# Altium PCB jlc.PcbDoc (part 1 of 2) (continued)
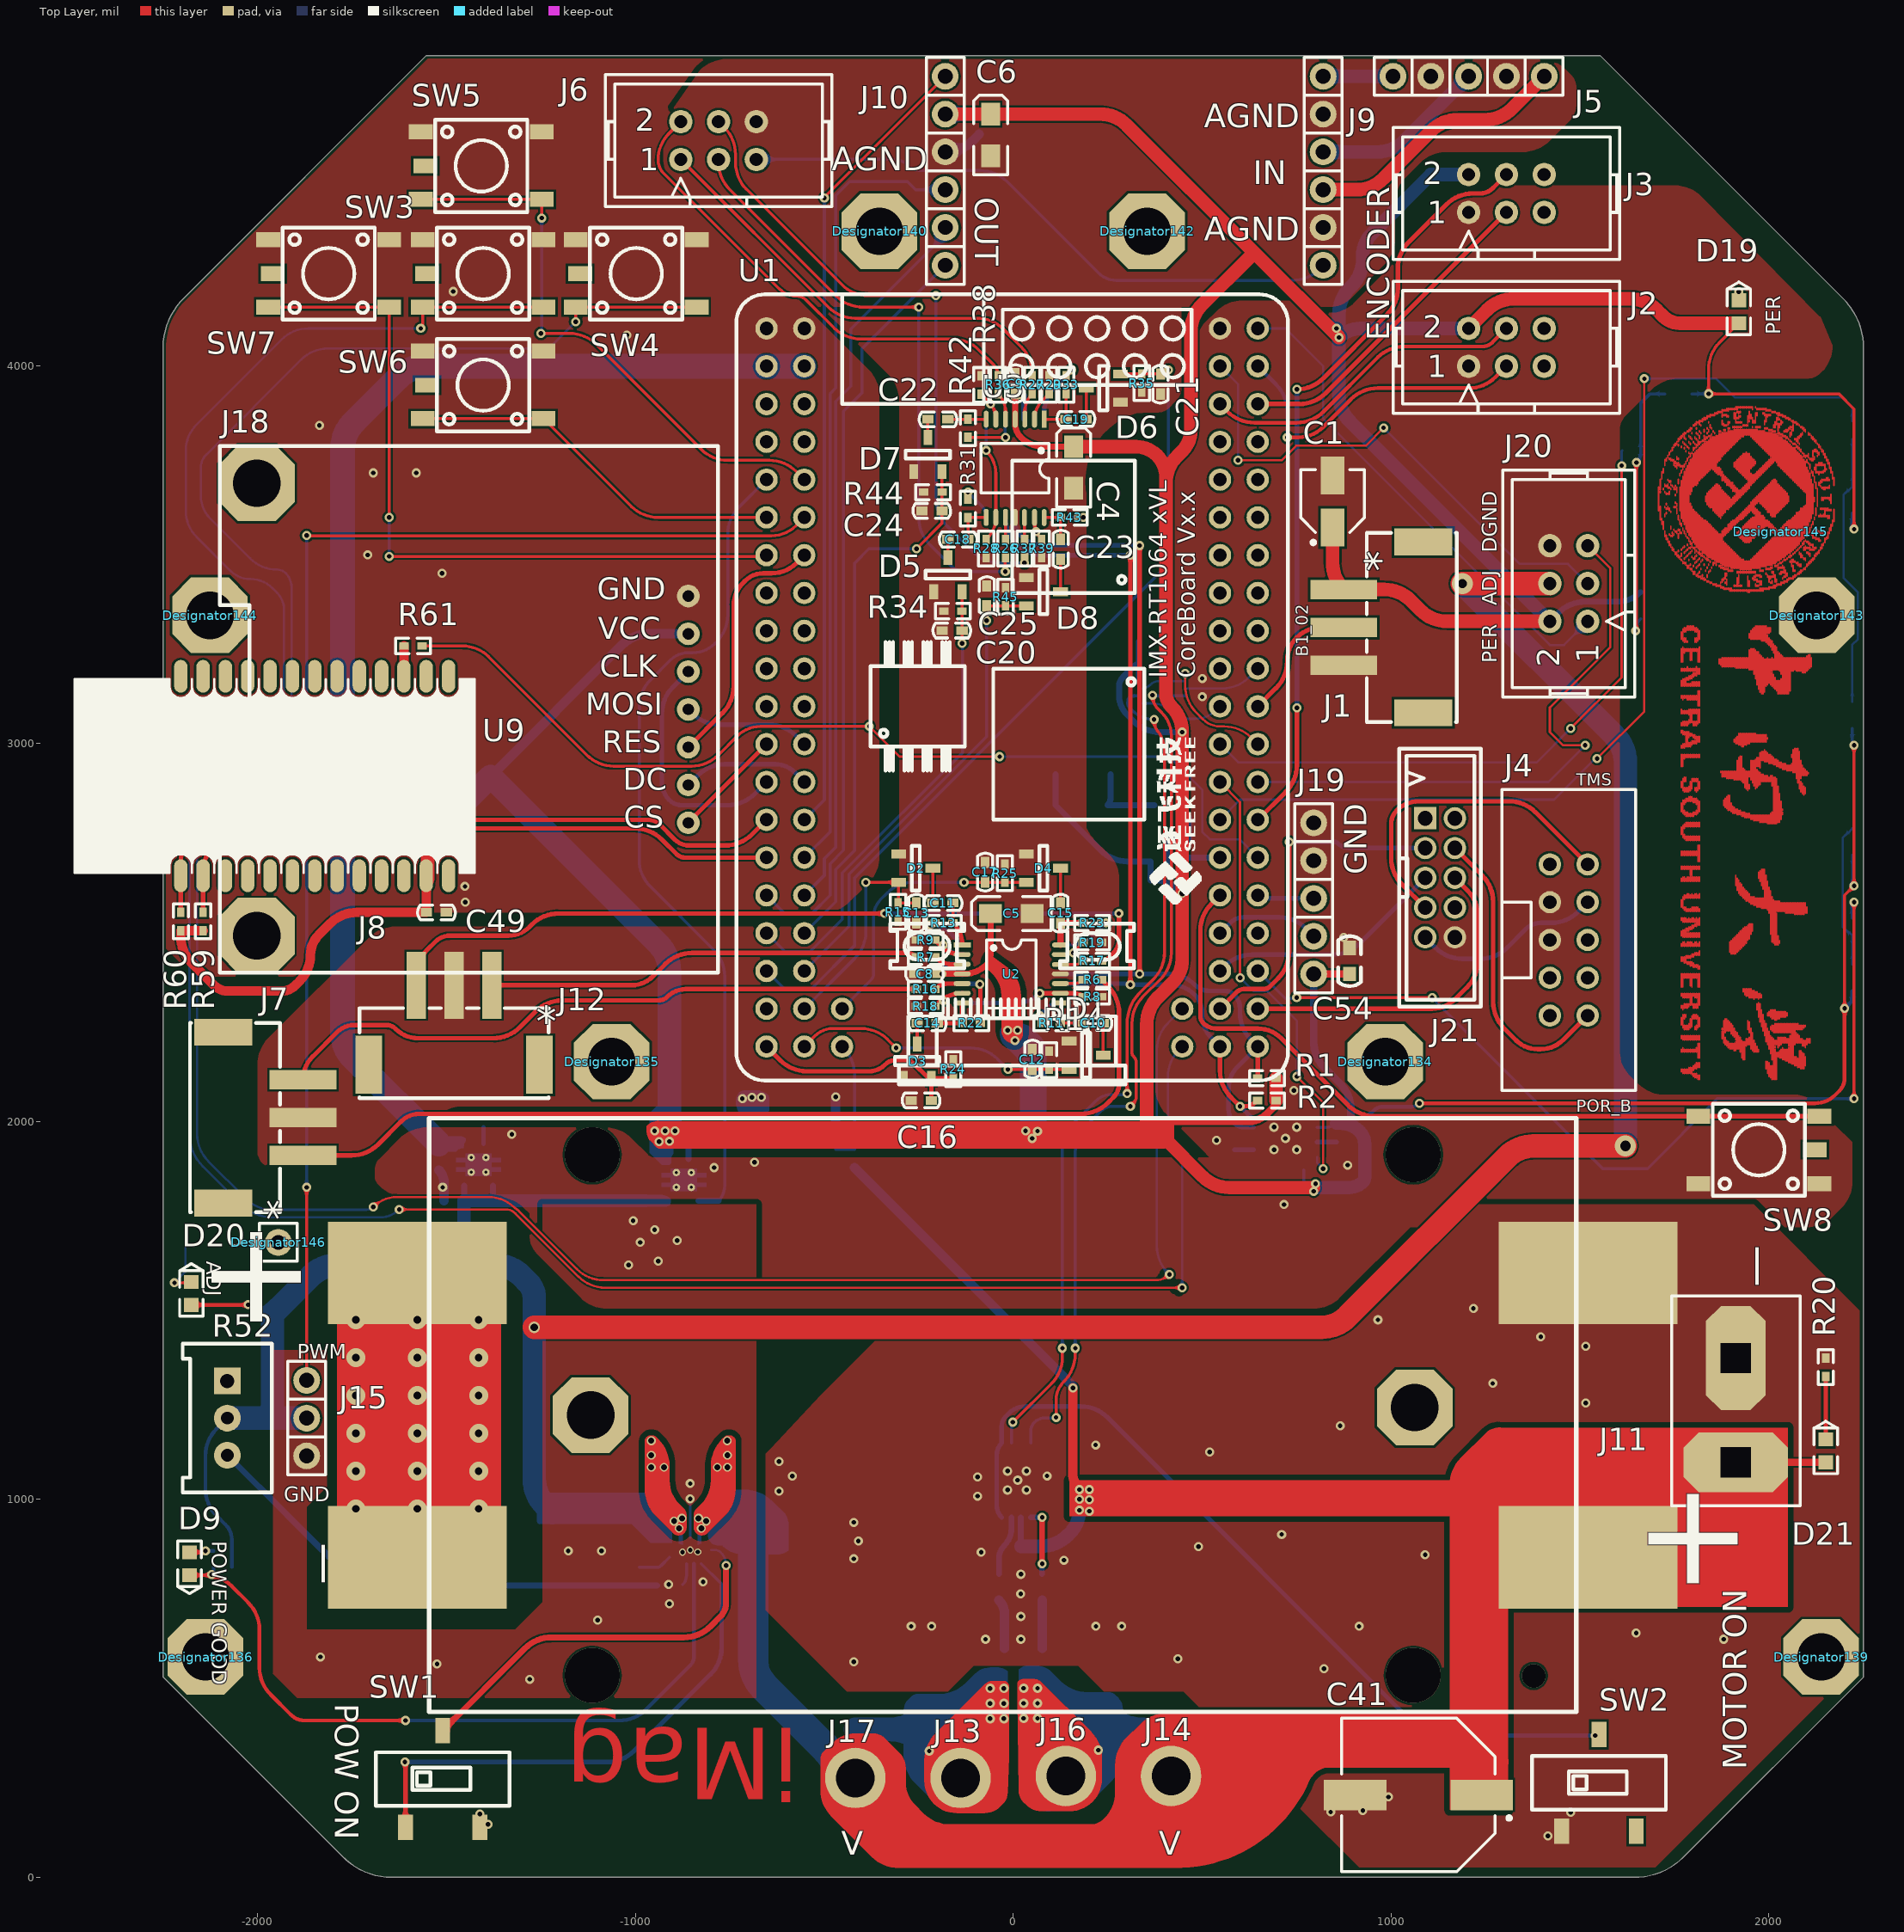
[diagram p0: Top Layer view]
## Components (designator, comment, footprint, x,y, rotation, side; value= is the part's Value field where it differs from the comment) (continued)
R48 "100K" R0402 -2116.18,820.99 r0 bottom value=150R (schematic designator R9)
R49 "51K, 1%" R0402 -990,820 r90 bottom value=150R (schematic designator R10)
R50 "511" R0402 -2067.98,863.68 r180 bottom value=150R (schematic designator R11)
R51 "0" R0603 -619.31,1065 r180 bottom value=150R (schematic designator R12)
R52 "100K" 3296W -2080,1215 r270 top (schematic designator R13)
R53 "30K" R0402 -780.14,1790 r0 bottom value=150R (schematic designator R14)
R54 "0" R0603 -841.12,1737 r180 bottom value=150R (schematic designator R15)
R55 "101" R0603 -37.99,732.99 r90 bottom value=150R (schematic designator R3)
R56 "10K" R0402 -71.69,667.99 r0 bottom value=150R (schematic designator R4)
R57 "101" R0603 76.51,732.99 r90 bottom value=150R (schematic designator R5)
R58 "10K" R0402 28.31,667.99 r0 bottom value=150R (schematic designator R6)
R59 "5.6K" R0402 -2144.06,2552.99 r270 top value=150R (schematic designator R1)
R60 "5.6K" R0402 -2203.11,2552.99 r270 top value=150R (schematic designator R2)
R61 "511" R0402 -1564.24,3257.99 r180 top value=150R (schematic designator R3)
R62 "511" R0402 2220,2538.2 r270 bottom value=150R (schematic designator R19)
R63 "511" R0402 1611.8,3775 r0 bottom value=150R (schematic designator R20)
R64 "511" R0402 2220,3853.2 r270 bottom value=150R (schematic designator R21)
R65 "10K" R0402 411.01,2687.99 r180 bottom value=150R (schematic designator R1)
R66 "1K" R0402 466.01,2746.19 r270 bottom value=150R (schematic designator R2)
R67 "10K" R0402 466.01,2851.19 r270 bottom value=150R (schematic designator R3)
SW1 "K3-1235S-K1" K3-1235S-K1 -1510,260 r0 top (schematic designator SW2)
SW2 "K3-1235S-K1" K3-1235S-K1 1550,250 r0 top (schematic designator SW1)
SW3 "SW" "轻触开关6.2*6.2(5p) SMD" -1402.99,4242.99 r180 top
SW4 "SW" "轻触开关6.2*6.2(5p) SMD" -997.99,4242.99 r180 top
SW5 "SW" "轻触开关6.2*6.2(5p) SMD" -1407.99,4527.99 r180 top
SW6 "SW" "轻触开关6.2*6.2(5p) SMD" -1402.99,3947.99 r180 top
SW7 "SW" "轻触开关6.2*6.2(5p) SMD" -1811.77,4242.99 r180 top
SW8 "SW" "轻触开关6.2*6.2(5p) SMD" 1973,1925 r0 top
U1 "MIMXRT1064xVL_CoreBoard" MIMXRT1064xVL_CoreBoard -2.99,3147.99 r270 top locked
U2 "OPA4377" TSSOP-14 -135.16,2467 r0 top (schematic designator U1)
U3 "OPA4377" TSSOP-14 81.77,3857.83 r270 top (schematic designator U1)
U4 "TPS63070" VQFN-15 -855,875 r90 bottom
U5 "3.3V" VSON-8 -1415,1885 r270 bottom value=Value
U6 "3.3V" VSON-8 -871.73,1845.12 r270 bottom value=Value
U7 "74AHC2G126" VSSOP-8 395,3135 r180 bottom (schematic designator U2)
U8 "UCC27524D" TSSOP-8EP 7.82,1050.56 r0 bottom value=Value (schematic designator U3)
U9 "HC-06" HC-05 -1848.78,2913.78 r180 top (schematic designator U1)
U10 "MPU6050" QFN-24_4x4x05P 720,1955 r0 bottom (schematic designator U1)
U11 "103E" TSSOP-14 125,2466.77 r180 bottom (schematic designator U2)
U12 "103E" TSSOP-14 81.18,3597.99 r90 bottom (schematic designator U2)

## Footprints (in the part's own frame and the unit in brackets; to place one, negate y for a bottom-side part, rotate by r counter-clockwise, add the part's x,y. Pads: shape width x height; smd on the part's side, far side on the other; paste and mask are expansions set on the pad)
2.54排针1X1 [mm]
  round 1.8 hole 1: 1(0,0)
  silkscreen extent -1.27,-1.27 1.27,1.27, body extent -1.27,-1.27 1.27,1.27, height 2.5
2.54排针1X3 [mm]
  round 1.8 hole 1: 1(-2.54,0) 2(0,0) 3(2.54,0)
  silkscreen extent -3.81,-1.27 3.81,1.27, body extent -3.81,-1.27 3.81,1.27, height 2.5
2.54排针1X5 [mm]
  round 1.8 hole 1: 1(-5.08,0) 2(-2.54,0) 3(0,0) 4(2.54,0) 5(5.08,0)
  silkscreen extent -6.35,-1.27 6.35,1.27, body extent -6.35,-1.27 6.35,1.27, height 2.5
2.54排针1X6 [mm]
  round 1.8 hole 1: 1(-7.62,0) 2(-5.08,0) 3(-2.54,0) 4(0,0) 5(2.54,0) 6(5.08,0)
  silkscreen extent -8.89,-1.27 6.35,1.27, body extent -8.89,-1.27 6.35,1.27, height 2.5
2.54简易牛角座6P [mil]
  round 62 hole 35: 1(0,0) 2(0,100) 3(100,0) 4(100,100) 5(200,0) 6(200,100)
  silkscreen extent -200,-125 400,225, body extent -200,-117 400,231, height 359
0805C [mil]
  rect 60x50 smd: 1(-45,0) 2(45,0)
  silkscreen extent -83,-33 83,33, body extent -39,-24 39,24, height 37
3216-ce [mil]
  rect 60x50 smd: 1(0,0) 2(-110,0)
  silkscreen extent -160,-45 50,45, body extent -122,-31 12,35, height 67
3296W [mm]
  rect 1.8x1.8 hole 0.95: 1(-2.5,0)
  round 1.8 hole 0.85: 2(0,0) 3(2.5,0)
  silkscreen extent -5,-3 5,3, body extent -4.76,-2.4 4.76,2.4, height 11.55
18650x2 [mm] "2节电池座"
  oct 5.08x5.08 hole 3.2: 0(-27.7,-0.508) 0(27.7,0)
  rect 12x6.9 smd: 1(-39.35,9.55) 2(-39.35,-9.55) 3(39.35,-9.55) 4(39.35,9.55)
  silkscreen extent -38.55,-19.95 38.55,19.95, body extent -43.13,-19.89 42.88,19.89, height 15.03
Beep-5.0*5.0 [mm]
  rect 2.3x1.5 smd: 1(-1.75,-1.75) 2(1.75,-1.75) 3(-1.75,1.75)
  silkscreen extent -2.4,-2.5 2.6,2.5, body extent -2.41,-2.54 2.67,2.54, height 2
C0402 [mil]
  rect 30x23 smd: 1(-3,0) 2(50,0)
  silkscreen extent -27,-19 73,20, body extent 2,-10 42,10, height 20
C0603 [mil]
  rect 38x35 smd: 1(0,0) 2(69,0)
  silkscreen extent -31,-30 101,30, body extent 4,-16 67,16, height 12
CSU [mil] "校徽"
  Top Layer drawing of 1935 lines, arcs and shapes, not listed
DFN-8EP2 [mil] "DFN-8_L5.5-W5.2-P1.27-LS6.0-BL-EP2"
  rect 55x24 smd: 1(-116,70) 2(-116,20) 3(-116,-30) 4(-116,-80) 5(98,-80) 6(98,70)
  rect 150x65 smd: 5(11.5,-50.5) 6(11.5,40.5)
  rect 189x24 smd: 5(31,-30) 6(31,20)
  silkscreen extent -163,-110 113,102, body extent -139,-116 119,96, height 44
HC-05 [mm] "HC-05/06/08V15"
  oval 0.9x2.2 smd: 1(9,6.7) 2(7.5,6.7) 3(6,6.7) 4(4.5,6.7) 5(3,6.7) 6(1.5,6.7) 7(0,6.7) 8(-1.5,6.7) 9(-3,6.7) 10(-4.5,6.7) 11(-6,6.7) 12(-7.5,6.7) 13(-9,6.7) 22(-9,-6.7) 23(-7.5,-6.7) 24(-6,-6.7) 25(-4.5,-6.7) 26(-3,-6.7) 27(-1.5,-6.7) 28(0,-6.7) 29(1.5,-6.7) 30(3,-6.7) 31(4.5,-6.7) 32(6,-6.7) 33(7.5,-6.7) 34(9,-6.7)
  silkscreen extent -10.75,-6.5 16.15,6.5, body extent -10.83,-6.5 16.17,6.5, height 4.31
IDC-10P [mm]
  rect 1.5x1.5 hole 1: 1(-4,-1)
  round 1.5 hole 1: 2(-4,1) 3(-2,-1) 4(-2,1) 5(0,-1) 6(0,1) 7(2,-1) 8(2,1) 9(4,-1) 10(4,1)
  silkscreen extent -8.67,-2.75 8.67,2.75
JTAG_10P [mm] "JTAG_10P"
  round 1.5 hole 0.9: 1(-1.27,5.08) 2(1.27,5.08) 3(-1.27,2.54) 4(1.27,2.54) 5(-1.27,0) 6(1.27,0) 7(-1.27,-2.54) 8(1.27,-2.54) 9(-1.27,-5.08) 10(1.27,-5.08)
  silkscreen extent -4.5,-10.1 4.5,10.1, body extent -4.42,-10.15 4.42,10.15, height 9.03
K3-1235S-K1 [mm]
  rect 1x1.7 smd: 1(-2.5,-3.25) 2(-0.002,3.25) 3(2.5,-3.25)
  silkscreen extent -4.5,-1.8 4.5,1.8
L5X5 [mil]
  rect 78.74x177.17 smd: 1(19,-97) 2(182,-98)
  silkscreen extent 0,-206 200,11, body extent 3,-193 195,-1, height 114
"LED 0603B" [mm] "蓝色0603LED"
  rect 0.93x0.98 smd: A(0.77,0) K(-0.77,0)
  silkscreen extent -2,-0.79 1.53,0.79, body extent -0.8,-0.4 0.8,0.4, height 0.61
"LED 0603G" [mm] "绿色0603LED"
  rect 0.93x0.98 smd: A(0.77,0) K(-0.77,0)
  silkscreen extent -2,-0.79 1.53,0.79, body extent -0.8,-0.4 0.8,0.4, height 0.61
"LED 0603R" [mm] "红色0603LED"
  rect 0.93x0.98 smd: A(0.77,0) K(-0.77,0)
  silkscreen extent -2,-0.79 1.53,0.79, body extent -0.8,-0.4 0.8,0.4, height 0.61
"LED 0603Y" [mm] "黄色0603LED"
  rect 0.93x0.98 smd: A(0.77,0) K(-0.77,0)
  silkscreen extent -2,-0.79 1.53,0.79, body extent -0.8,-0.41 0.8,0.4, height 0.61
LED-SMD_L1.7-W0.6-RD [mm]
  rect 0.8x0.7 smd: A(0.9,0) K(-0.9,0)
  silkscreen extent -0.6,-0.32 0.6,0.8, body extent -0.8,-0.4 0.8,0.4, height 0.61
MIMXRT1064xVL_CoreBoard [mm] "逐飞科技i.MX RT1064核心板整体封装，可直接使用"
  round 1.5 hole 0.9: 1(-24.13,-16.51) 2(-24.13,-13.97) 3(-21.59,-16.51) 4(-21.59,-13.97) 5(-19.05,-16.51) 6(-19.05,-13.97) 7(-16.51,-16.51) 8(-16.51,-13.97) 9(-13.97,-16.51) 10(-13.97,-13.97) 11(-11.43,-16.51) 12(-11.43,-13.97) 13(-8.89,-16.51) 14(-8.89,-13.97) 15(-6.35,-16.51) 16(-6.35,-13.97) 17(-3.81,-16.51) 18(-3.81,-13.97) 19(-1.27,-16.51) 20(-1.27,-13.97) 21(1.27,-16.51) 22(1.27,-13.97) 23(3.81,-16.51) 24(3.81,-13.97) 25(6.35,-16.51) 26(6.35,-13.97) 27(8.89,-16.51) 28(8.89,-13.97) 29(11.43,-16.51) 30(11.43,-13.97) 31(13.97,-16.51) 32(13.97,-13.97) 33(16.51,-16.51) 34(16.51,-13.97) 35(19.05,-16.51) 36(19.05,-13.97) 37(21.59,-16.51) 38(21.59,-13.97) 39(24.13,-16.51) 40(24.13,-13.97) 41(21.59,-11.43) 42(24.13,-11.43) 43(24.13,11.43) 44(21.59,11.43) 45(24.13,13.97) 46(24.13,16.51) 47(21.59,13.97) 48(21.59,16.51) 49(19.05,13.97) 50(19.05,16.51) 51(16.51,13.97) 52(16.51,16.51) 53(13.97,13.97) 54(13.97,16.51) 55(11.43,13.97) 56(11.43,16.51) 57(8.89,13.97) 58(8.89,16.51) 59(6.35,13.97) 60(6.35,16.51) 61(3.81,13.97) 62(3.81,16.51) 63(1.27,13.97) 64(1.27,16.51) 65(-1.27,13.97) 66(-1.27,16.51) 67(-3.81,13.97) 68(-3.81,16.51) 69(-6.35,13.97) 70(-6.35,16.51) 71(-8.89,13.97) 72(-8.89,16.51) 73(-11.43,13.97) 74(-11.43,16.51) 75(-13.97,13.97) 76(-13.97,16.51) 77(-16.51,13.97) 78(-16.51,16.51) 79(-19.05,13.97) 80(-19.05,16.51) 81(-21.59,13.97) 82(-21.59,16.51) 83(-24.13,13.97) 84(-24.13,16.51)
  silkscreen extent -26.42,-18.54 26.67,18.54, body extent -25.4,-17.78 25.49,17.78, height 8.5
MOTOR [mil] "镀金香蕉头2mm"
  round 160 hole 102.36: 1(0,0)
"OLED 0.96" [mil]
  oct 200x200 hole 125.98: 0(98.43,-1220.47) 0(1295.28,-1220.47)
  round 60 hole 30: 1(396.85,-78.74) 2(496.85,-78.74) 3(596.85,-78.74) 4(696.85,-78.74) 5(796.85,-78.74) 6(896.85,-78.74) 7(996.85,-78.74)
  silkscreen extent 0,-1319 1394,0, body extent 215,-1083 1266,13, height 334
QFN-24_4x4x05P [mm]
  oval 0.28x0.914 smd mask+0.051: 1(-1.25,-2.13) 2(-0.75,-2.13) 3(-0.25,-2.13) 4(0.25,-2.13) 5(0.75,-2.13) 6(1.25,-2.13) 13(1.25,2.13) 14(0.75,2.13) 15(0.25,2.13) 16(-0.25,2.13) 17(-0.75,2.13) 18(-1.25,2.13)
  oval 0.914x0.28 smd mask+0.051: 7(2.13,-1.25) 8(2.13,-0.75) 9(2.13,-0.25) 10(2.13,0.25) 11(2.13,0.75) 12(2.13,1.25) 19(-2.13,1.25) 20(-2.13,0.75) 21(-2.13,0.25) 22(-2.13,-0.25) 23(-2.13,-0.75) 24(-2.13,-1.25)
  rrect6% 2.7x2.7 smd mask+0.051: 25(0,0)
  silkscreen extent -2.15,-2.72 2.15,2.15, body extent -2,-2 2,2, height 0.9
R0402 [mil] "1/16W"
  rect 25x20 smd: 1(0,0) 2(48.2,0)
  silkscreen extent -22,-20 70,20, body extent 5,-10 44,10, height 14
R0603 [mil] "1/10W"
  rect 38x35 smd: 1(0,0) 2(69,0)
  silkscreen extent -30,-31 99,30, body extent 4,-16 66,16, height 18
SOD-123F [mm] "2.7x1.6X1.1mm（长宽高，不包括引脚）"
  rect 1.3x1 smd: 1(-1.85,0)
  oct 1.3x1 smd: 2(1.85,0)
  silkscreen extent -2.79,-0.89 2.84,0.89, body extent -1.9,-0.8 1.9,0.8, height 1.15
SOT-23 [mm] "SOT-23-3"
  rect 0.6x1 smd: 1(-0.95,-1.15) 2(0.95,-1.15) 3(0,1.15)
  silkscreen extent -1.5,-0.27 1.5,0.27, body extent -1.46,-1.28 1.46,1.27, height 0.99
TSSOP-8EP [mil] "TSSOP-8_L3.0-W3.0-P0.65-LS4.9-BL-EP"
  rect 16x71 smd: 1(-38.5,-98.42) 2(-12.5,-98.42) 3(12.5,-98.42) 4(38.5,-98.42) 5(38.5,98.43) 6(12.5,98.43) 7(-12.5,98.43) 8(-38.5,98.43)
  rect 74.02x77.96 smd: 9(3.5,-0.03)
  silkscreen extent -76,-96 59,63, body extent -61,-130 61,130, height 47
TSSOP-14 [mm] "4.96x4.40x1.00 e=0.65（蒜米工坊）"
  rect 1.143x0.33 smd: 1(0,0)
  oval 1.143x0.33 smd: 2(0,-0.65) 3(0,-1.3) 4(0,-1.95) 5(0,-2.6) 6(0,-3.25) 7(0,-3.9) 8(6.6,-3.9) 9(6.6,-3.25) 10(6.6,-2.6) 11(6.6,-1.95) 12(6.608,-1.321) 13(6.6,-0.65) 14(6.608,0)
  silkscreen extent 1.63,-4.25 4.96,0.33, body extent 0.03,-4.43 6.43,0.57, height 1.03
T接头 [mm]
  oct 7x4 hole 2 square: 1(0,-7)
  oct 4x7 hole 2 square: 2(0,0)
  silkscreen extent -4.32,-9.91 4.32,4.19
VQFN-15 [mm]
  rrect50% 0.6x0.25 smd: 1(-1.15,0.75) 2(-1.15,0.25) 3(-1.15,-0.25) 4(-1.15,-0.75)
  rrect50% 0.25x0.6 smd: 5(-0.725,-1.4) 6(-0.225,-1.4) 7(0.275,-1.4) 8(0.775,-1.4) 12(0.775,1.4) 13(0.275,1.4) 14(-0.225,1.4) 15(-0.725,1.4)
  rrect50% 0.75x0.25 smd: 7(0.525,-1.225) 12(0.525,1.225)
  rrect50% 1.35x0.25 smd: 9(0.775,-0.5) 11(0.775,0.5)
  rrect50% 1.7x0.25 smd: 10(0.6,0)
  silkscreen extent -1.78,-1.5 1.25,1.5, body extent -1.25,-1.5 1.25,1.5, height 1
VSON-8 [mm]
  oval 0.6x0.3 smd paste-0.102 mask+0.051: 1(-1.4,0.975) 2(-1.4,0.325) 3(-1.4,-0.325) 4(-1.4,-0.975) 5(1.4,-0.975) 6(1.4,-0.325) 7(1.4,0.325) 8(1.4,0.975)
  rect 1.5x1.75 smd paste-0.862 mask+0.051: 9(0,0)
  round 0.5 hole 0.203 mask+0.051: V(-0.5,-0.5) V(-0.5,0.5) V(0.5,-0.5) V(0.5,0.5)
  Top Layer region: -0.185,-1.5 -0.465,-1.5 -0.465,-0.875 -0.75,-0.875 -0.75,0.875 -0.465,0.875 -0.465,1.5 -0.185,1.5 -0.185,0.875 0.185,0.875 0.185,1.5 0.465,1.5 0.465,0.875 0.75,0.875 0.75,-0.875 0.465,-0.875 0.465,-1.5 0.185,-1.5 0.185,-0.875 -0.185,-0.875
  silkscreen extent -1.73,-1.73 1.73,1.73, body extent -1.5,-1.5 1.5,1.5, height 0.77
VSSOP-8 [mm]
  oval 0.8x0.25 smd mask+0.05: 1(-1.524,0.762) 2(-1.524,0.262) 3(-1.524,-0.238) 4(-1.524,-0.738) 5(1.576,-0.738) 6(1.576,-0.238) 7(1.576,0.262) 8(1.576,0.762)
  silkscreen extent -2.23,-1.02 1.52,1.02, body extent -1.55,-1 1.55,1, height 0.77
XH2.54-3SMD [mm] "CONN-SMD_3P-P2.54_XH2.54-3AB"
  rect 1.3x4.5 smd: 1(-2.54,-2.675) 2(0,-2.675) 3(2.54,-2.675)
  rect 1.801x3.901 smd: 4(-5.741,2.675) 5(5.741,2.675)
  silkscreen extent -6.35,-1.13 6.35,4.93, body extent -5.05,-4.87 4.95,5.63, height 5.85
定位孔 [mm]
  oct 5.08x5.08 hole 3.2: 0(0,0)
"贴片电解 4*5.4" [mm] "贴片电解 4*5.4"
  rect 2.55x1.6 smd: 1(-1.75,0) 2(1.75,0)
  silkscreen extent -2.87,-2.15 2.15,2.15
"贴片电解 6.3*5.4" [mm] "贴片电解 6.3*5.4"
  rect 3.15x1.6 smd: 1(-2.65,0) 2(2.65,0)
  silkscreen extent -4.07,-3.3 3.3,3.3, body extent -3.5,-3.3 3.5,3.3, height 5.4
"贴片电解 10*10.5" [mm]
  rect 4.2x2.05 smd: 1(-4.25,0) 2(4.25,0)
  silkscreen extent -6.23,-5.15 5.15,5.15, body extent -5.8,-5.15 5.8,5.15, height 10.2
"轻触开关6.2*6.2(5p) SMD" [mm]
  rect 1.6x1 smd: 1(-4.064,2.25) 1(4.064,2.25) 2(-4.064,-2.286) 2(4.064,-2.286) 5(3.764,0)
  silkscreen extent -3.1,-3.1 3.1,3.1, body extent -4,-3.2 4,3.2, height 2.5

## Part data
C1 C2 C3 C4 C5 C6 C27 C41 C42 C43 C45 C47 C48 C55: library part 电解电容, "Polarized Capacitor (Axial)", LatestRevisionDate=17-Jul-2002, LatestRevisionNote="Re-released for DXP Platform.", PackageDescription="Polarized Capacitor; 2 Leads", PackageReference=POLAR0.8, Published=8-Jun-2000, Publisher="Altium Limited"
C7 C8 C9 C10 C11 C12 C13 C14 C15 C16 C17 C18 C19 C20 C21 C22 C23 C24 C25 C26 C28 C29 C30 C31 C32 C34 C36 C37 C38 C39 C40 C44 C46 C49 C50 C51 C52 C53 C54 C56 C57 C58: library part 电容, "Capacitor", LatestRevisionDate=17-Jul-2002, LatestRevisionNote="Re-released for DXP Platform.", PackageDescription="Radial Cap, Thru-Hole; 2 Leads; 0.3 in Pin Spacing", PackageReference=RAD-0.3, Published=8-Jun-2000, Publisher="Altium Limited"
C33 C35: library part 电容, "X5R Capacitor", LatestRevisionDate=17-Jul-2002, LatestRevisionNote="Re-released for DXP Platform.", PackageDescription="Radial Cap, Thru-Hole; 2 Leads; 0.3 in Pin Spacing", PackageReference=RAD-0.3, Published=8-Jun-2000, Publisher="Altium Limited"
D1 D2 D3 D4 D5 D6 D7 D8: library part BAT54S
D10 D11 D18: "Schottky Diode"
J5 J19: library part SIP-5
J9 J10: library part SIP-6
J13 J14 J16 J17: library part MOTOR
J18: library part OLED_SPI
J21: library part JTAG-10P
L1: library part 贴片电感, "4.6A, 14.4mOhm"
Q1: library part N沟道MOSFET, "CQ-BS170"
Q2: "NPN Bipolar Transistor", Code_JEDEC=TO-226-AA, LatestRevisionDate=17-Jul-2002, LatestRevisionNote="Re-released for DXP Platform.", PackageDescription="TO, Flat Index; 3 In-Line, Axial Leads; Body Dia. 4.8mm; Leads 0.55 x 0.51 mm (max)", PackageReference=TO-226-AA, Published=8-Jun-2000, Publisher="Altium Limited"
R1 R2 R3 R4 R5 R6 R7 R8 R9 R10 R11 R12 R13 R14 R15 R16 R17 R18 R19 R20 R22 R23 R24 R25 R26 R27 R28 R29 R31 R33 R34 R35 R36 R37 R38 R39 R42 R43 R44 R45 R46 R47 R48 R49 R50 R51 R53 R54 R55 R56 R57 R58 R59 R60 R61 R62 R63 R64 R65 R66 R67: library part 电阻, "Resistor", LatestRevisionDate=17-Jul-2002, LatestRevisionNote="Re-released for DXP Platform.", PackageDescription="Axial Device, Thru-Hole; 2 Leads; 0.3 in Pin Spacing", PackageReference=AXIAL-0.3, Published=8-Jun-2000, Publisher="Altium Limited"
R52: library part 电位器
SW1 SW2: library part 单刀双掷, "Switch"
SW3 SW4 SW5 SW6 SW7 SW8: library part Switch, "Single-Pole, Single-Throw Switch"
U1: "逐飞科技i.MX RT1064核心板整体原理，可直接使用"
U2 U3: library part 4运放
U5 U6: library part TPS73512DRBR, "No Description Available", Alternate_PartNumber=TPS73512DRBT, Manufacturer="Texas Instruments", CompType=IC, Copyright="Copyright (C) 2018 Accelerated Designs. All rights reserved", MountType=SMT, PackageReference=DRB0008A, PartNumber=TPS73512DRBR, PIN_COUNT=9, RefDes=RefDes, RoHS=Y, Type=DEV
U7: library part 74126
U8: "No Description Available", Manufacturer="Texas Instruments", PartNumber=UCC27524DR, Copyright="Copyright (C) 2018 Accelerated Designs. All rights reserved", RefDes=RefDes, Type=DEV
U9: library part HC-05, "蓝牙串口模块"
U11 U12: library part MCP4452

## Via types
v1: diameter 24, hole 12, Top Layer to Bottom Layer, tented both sides, 113 vias
v2: diameter 24, hole 12, Top Layer to Bottom Layer, 95 vias
v3: diameter 25, hole 12, Top Layer to Bottom Layer, tented both sides, 26 vias
v4: diameter 50, hole 20, Top Layer to Bottom Layer, tented both sides, 21 vias
v5: diameter 23.62, hole 15.75, Top Layer to Bottom Layer, tented both sides, 14 vias
v6: diameter 145.67, hole 145.67, Top Layer to Bottom Layer, 4 vias
v7: diameter 18.62, hole 11.81, Top Layer to Bottom Layer, tented both sides, 3 vias
v8: diameter 62.99, hole 62.99, Top Layer to Bottom Layer, 1 vias
v9: diameter 23.62, hole 11.81, Top Layer to Bottom Layer, tented both sides, 1 vias
v10: diameter 56, hole 23.62, Top Layer to Bottom Layer, 1 vias
v11: diameter 56, hole 28, Top Layer to Bottom Layer, 1 vias
v12: diameter 30, hole 19.68, Top Layer to Bottom Layer, 1 vias
v13: diameter 23.62, hole 15.75, Top Layer to Bottom Layer, 1 vias

## Nets (pads, with @x,y where several pads share a name; then routed paths per layer and width w, separated by ;. In a path a pad name is that pad's centre, name@x,y a point inside that pad or via, vN(x,y) a via of type N, cw(c..) or ccw(c..) an arc to the next point about the centre after c; other vN are vias at no path point)
\TRST: J21.3 U1.47 | length 917.7
  Top Layer w12: U1.47@547.01,2297.99 590.69,2341.67 cw(c610.79,2321.56) 610.79,2350 661.92,2350 ccw(c661.92,2375.57) 680,2357.49 700.55,2378.04 ccw(c629.84,2448.75) 729.84,2448.75 v2(729.84,2739.16)
  Bottom Layer w12: v2(729.84,2739.16) 849.95,2739.16 cw(c849.95,2724.95) 860,2735 ccw(c888.44,2763.44) 888.44,2723.22 J21.3@1090,2723.22
AD_B0_00: J18.7 U1.23 | length 293.6
  Top Layer w12: J18.7@-860,2790 cw(c-857.62,2790) -859.31,2791.68 U1.23@-652.99,2997.99
AD_B0_01: J18.4 U1.24 | length 336.5
  Bottom Layer w12: J18.4@-860,3090 -849.29,3079.29 ccw(c-778.58,3150) -778.58,3050 -646.42,3050 cw(c-646.42,2950) -575.71,3020.71 U1.24@-552.99,2997.99
AD_B0_02: J18.3 U1.25 | length 651.7
  Bottom Layer w12: J18.3@-860,3190 -900.71,3149.29 ccw(c-830,3078.58) -930,3078.58 -930,2898 ccw(c-862.12,2898) -910.12,2850 ccw(c-878.11,2882) -878.11,2836.74 -755.66,2836.74 ccw(c-755.66,2936.74) -684.95,2866.03 U1.25@-652.99,2897.99
AD_B0_03: J18.6 U1.26 | length 341.8
  Bottom Layer w12: J18.6@-860,2890 -834.29,2915.71 cw(c-763.58,2845) -763.58,2945 -630,2945 cw(c-630,2872.57) -578.79,2923.79 U1.26@-552.99,2897.99
AD_B0_09: J21.5 U1.49 | length 636.5
  Bottom Layer w12: U1.49@547.01,2397.99 560.91,2411.89 cw(c631.62,2341.18) 631.62,2441.18 845.28,2441.18 ccw(c845.28,2541.18) 915.99,2470.47 J21.5@1090,2644.48
AD_B0_10: J21.6 U1.48 | length 892
  Top Layer w12: U1.48@647.01,2297.99 1108.37,2297.99 ccw(c1108.37,2383.37) 1168.74,2323 1200.71,2354.97 ccw(c1130,2425.68) 1230,2425.68 1230,2541.8 ccw(c1130,2541.8) 1200.71,2612.51 J21.6@1168.74,2644.48
AD_B0_12: R59.1 U1.29 U9.2 | length 1687.4
  Top Layer w12: R59.1@-2144.06,2552.99 U9.2@-2144.06,2650 -2144.06,2659.52 cw(c-2044.06,2659.52) -2114.77,2730.23 -2098.28,2746.72 cw(c-2030,2678.43) -2030,2775 -1000.44,2775 cw(c-1000.44,2675) -929.73,2745.71 -891.42,2707.4 ccw(c-868.7,2730.12) -868.7,2697.99 U1.29@-652.99,2697.99
AD_B0_13: R60.1 U1.27 U9.1 | length 1793.9
  Top Layer w12: R60.1@-2203.11,2552.99 U9.1@-2203.11,2650 -2203.11,2687.3 cw(c-2103.11,2687.3) -2173.82,2758.01 -2163.13,2768.7 cw(c-2092.42,2697.99) -2092.42,2797.99 -965,2797.99 cw(c-965,2756.93) -935.97,2785.97 -895.82,2745.82 ccw(c-857.62,2784.02) -857.62,2730 -762.41,2730 ccw(c-762.41,2830) -691.69,2759.29 U1.27@-652.99,2797.99
AD_B0_14: J10.3 U1.30 | length 2100.3
  Bottom Layer w8: U1.30@-552.99,2697.99 -485,2765.98 -485,3925 -470,3940 -470,4450 -433.58,4486.42 -280,4486.42 -258.58,4465 J10.3@-180,4465
AD_B0_15: J10.6 U1.28 | length 2121
  Top Layer w8: v1@-500.86,4444.14 J10.6@-180,4765
  Bottom Layer w8: U1.28@-552.99,2797.99 -500,2850.98 v1(-500,4443.28)
AD_B1_00: J10.2 U1.32 | length 1929.1
  Bottom Layer w8: U1.32@-552.99,2597.99 -500,2650.98 -500,2695 -470,2725 -470,3905 -430,3945 -430,4096.62 -170.81,4355.81 J10.2@-180,4365
AD_B1_01: J10.1 U1.31 | length 2001.1
  Bottom Layer w8: U1.31@-652.99,2597.99 -605,2550 -532.99,2550 -485,2597.99 -485,2681.57 -449.29,2717.28 -449.29,3878.7 -400,3927.99 -400,4045 J10.1@-180,4265
AD_B1_02: C24.2 D7.2 R44.1 U1.34 | length 1445.7
  Top Layer w8: v2(-256.15,3515) -188.6,3582.55 C24.2@-188.6,3615 R44.1@-188.6,3665 D7.2@-188.6,3719.08
  Bottom Layer w8: U1.34@-552.99,2497.99 -470,2580.98 -470,2666.57 -419.29,2717.28 -419.29,3477.59 -381.88,3515 v2(-256.15,3515)
AD_B1_03: C20.2 D5.2 R34.1 U1.33 | length 1254.4
  Top Layer w8: v2(-135.6,3265) C20.2@-135.6,3297.99 R34.1@-135.6,3350 D5.2@-135.6,3401.25
  Bottom Layer w8: U1.33@-652.99,2497.99 -604.41,2449.41 -538,2449.41 -452.99,2534.41 -452.99,2657.01 -134.65,2975.35 -134.65,3264.05 v2(-135.6,3265)
AD_B1_04: C25.2 D8.2 R45.1 U1.36 | length 1270.7
  Top Layer w8: v2(-70.59,3325) C25.2@-70.59,3363.85 R45.1@-20.59,3363.85 D8.2@34.45,3363.85
  Bottom Layer w8: U1.36@-552.99,2397.99 -435,2515.98 -435,2653.94 -70.59,3018.35 v2(-70.59,3325)
AD_B1_05: C21.2 D6.2 R35.1 U1.35 | length 2301.4
  Top Layer w8: D6.2@283.55,3977.4 R35.1@340,3977.4 C21.2@390,3977.4 390,3980.49 397.5,3987.99 v2(411.01,3987.99)
  Bottom Layer w8: U1.35@-652.99,2397.99 -605,2350 -535,2350 -419.29,2465.71 -419.29,2645.24 411.01,3475.54 v2(411.01,3987.99)
AD_B1_06: C13.2 D2.2 R15.1 U1.38 | length 588.4
  Top Layer w8: v2(-390,2632.6) D2.2@-303.3,2632.6 -303.3,2582.09 cw(c-309.09,2582.09) R15.1@-305,2578 C13.2@-256.15,2578
  Bottom Layer w8: U1.38@-552.99,2297.99 -419.29,2431.69 ccw(c-490,2502.41) -390,2502.41 v2(-390,2632.6)
AD_B1_07: U1.37
AD_B1_08: C12.2 D1.2 R14.1 U1.40 | length 753.5
  Top Layer w8: U1.40@-552.99,2197.99 -525.22,2225.77 cw(c-477.07,2177.62) -477.07,2245.71 -402.84,2245.71 cw(c-402.84,2145.71) -332.13,2216.42 v2(-310,2194.29) ; v2(-14.17,2137.6) C12.2@50,2137.6 R14.1@95,2137.6 D1.2@147.45,2137.6
  Bottom Layer w8: v2(-310,2194.29) -112.28,2194.29 cw(c-112.28,2094.29) -41.57,2165 v2(-14.17,2137.6)
AD_B1_09: C16.2 D3.2 R24.1 U1.39 | length 601.7
  Top Layer w12: U1.39@-652.99,2197.99 -616.95,2161.95 ccw(c-546.24,2232.66) -546.24,2132.66 -381.09,2132.66 ccw(c-381.09,2190.77) -340,2149.68 cw(c-308.7,2118.38) -308.7,2162.65 -290.67,2162.65 cw(c-290.67,2119.13) -259.91,2149.91 -229.78,2119.78 ccw(c-216.9,2132.66) D3.2@-216.9,2114.45 ; C16.2@-216.9,2055 D3.2@-216.9,2114.45 ; R24.1@-158.78,2114.45 D3.2@-216.9,2114.45
AD_B1_10: R3.1 R4.2 U1.42 | length 331.4
  Bottom Layer w8: R4.2@-470,1925.98 R3.1@-420,1925.98 -420,2123.58 ccw(c-520,2123.58) -449.29,2194.29 U1.42@-452.99,2197.99
AD_B1_11: C17.2 D4.2 R25.1 U1.41 | length 727.4
  Top Layer w8: v2(-130.39,2632.6) C17.2@-75,2632.6 R25.1@-21.99,2632.6 D4.2@34.45,2632.6
  Bottom Layer w8: U1.41@-452.99,2297.99 -376.54,2374.45 ccw(c-392.32,2390.23) -370,2390.23 -370,2540 cw(c-302.42,2540) -350.21,2587.79 -334.68,2603.31 cw(c-263.97,2532.6) -263.97,2632.6 v2(-130.39,2632.6)
AD_B1_12: R1.2 U1.46 U10.23 U11.4 U12.4 | length 2512.4
  Top Layer w12: v2@334.44,2389.8 v2(334.44,3523.57) ; R1.2@647.01,2114.45 U1.46@647.01,2197.99
  Bottom Layer w12: U12.4@4.41,3597.99 4.41,3587.64 ccw(c57.64,3587.64) 20,3550 ccw(c82.78,3612.78) 82.78,3523.99 v2@335.55,3523.99 ; U11.4@125,2390 411.42,2390 cw(c411.42,2293.02) 480,2361.6 ccw(c520.06,2401.66) 520.06,2345 561.15,2345 cw(c561.15,2311.27) 585,2335.12 cw(c548.79,2298.91) 600,2298.91 600,2286.42 ccw(c700,2286.42) 629.29,2215.71 U1.46@647.01,2197.99 592.76,2143.75 ccw(c647.73,2088.79) 570,2088.79 570,2031.21 ccw(c621.21,2031.21) 585,1995 ccw(c610.28,2020.28) 610.28,1984.53 U10.23@636.13,1984.53
  other v2: 334.44,2390.23
AD_B1_13: R2.2 U1.45 U10.24 U11.5 U12.5 | length 2322.9
  Top Layer w12: v2(309.81,3497.99) 309.81,2362.5 v2@310.71,2361.59 ; U1.45@547.01,2197.99 547.01,2134.41 ccw(c647.01,2134.41) 576.3,2063.7 v2(600,2040) 610.79,2040 ccw(c610.79,2091.21) R2.2@647.01,2055
  Bottom Layer w12: U12.5@-21.18,3597.99 ccw(c75.23,3597.99) 7.05,3529.83 9.6,3527.28 ccw(c80.31,3597.99) 80.31,3497.99 v2(309.81,3497.99) ; U11.5@125,2364.41 303.01,2364.41 cw(c303.01,2354.8) v2(309.81,2361.59) 416.09,2361.59 cw(c416.09,2271.21) 480,2335.12 cw(c431.72,2286.84) 500,2286.84 500,2280 ccw(c584.5,2280) 524.75,2220.25 U1.45@547.01,2197.99 ; v2(600,2040) 600.35,2040 U10.24@636.13,2004.21
AD_B1_14: SW3.1 U1.43 | length 6697.8
  Top Layer w6: v2(-1625,1767.06) -1343.47,1767.06 cw(c-1343.47,1730.29) -1317.47,1756.29 -1150.47,1589.29 ccw(c-1079.76,1660) -1079.76,1560 v2(447.01,1560)
  Top Layer w8: v2(-1567.99,4097.99) ccw(c-1580.06,4110.06) -1562.99,4110.06 SW3.1@-1562.99,4154.41 SW3.1@-1242.99,4154.41
  Bottom Layer w6: v2(-1625,1767.06) cw(c-1675.32,1817.38) -1675.32,1746.22 -1960.26,1746.22 cw(c-1960.26,1866.22) -2045.12,1781.36 -2144.86,1881.1 cw(c-2060,1965.96) -2180.01,1965.96 -2180.01,2836.82 cw(c-2060,2836.82) -2144.86,2921.68 -2100.31,2966.23 cw(c-2055,2920.93) -2055,2985 ccw(c-2055,3074.73) -1991.55,3011.28 -1947.83,3055 ccw(c-1990.89,3098.05) -1930,3098.05 -1930,3355 ccw(c-1990.89,3355) -1947.83,3398.05 -1960.36,3410.58 ccw(c-2019.29,3351.66) -2019.29,3434.99 cw(c-2019.29,3509.11) -2071.7,3456.7 -2160.71,3545.71 cw(c-2090,3616.42) -2190,3616.42 -2190,3773.58 cw(c-2090,3773.58) -2160.71,3844.29 -1936.3,4068.7 cw(c-1865.59,3997.99) -1865.59,4097.99 v2(-1567.99,4097.99) ; v2(447.01,1560) 447.01,1887.22 ccw(c371.87,1887.22) 425,1940.36 cw(c462.93,1978.29) 409.29,1978.29 409.29,2118.85 cw(c509.29,2118.85) 438.58,2189.56 U1.43@447.01,2197.99
AD_B1_15: SW4.1 U1.44 | length 7026.6
  Top Layer w6: v2(-1693.8,1773.76) cw(c-1630.45,1710.41) -1630.45,1800 -1389.41,1800 cw(c-1389.41,1700) -1320.26,1772.24 ccw(c-1316.11,1776.58) -1319.16,1771.41 cw(c-1343.47,1730.29) -1309.66,1764.03 -1154.92,1609.29 ccw(c-1084.21,1680) -1084.21,1580 376.9,1580 ccw(c376.9,1631.21) v2(413.12,1595)
  Top Layer w8: v2(-1157.99,4115.66) SW4.1@-1157.99,4154.41 SW4.1@-837.99,4154.41
  Bottom Layer w6: v2(-1693.8,1773.76) cw(c-1712,1791.95) -1712,1766.22 -1960.26,1766.22 cw(c-1960.26,1866.22) -2030.97,1795.51 -2130.71,1895.25 cw(c-2060,1965.96) -2160,1965.96 -2160,2836.82 cw(c-2060,2836.82) -2130.71,2907.53 -2086.16,2952.09 cw(c-2055,2920.93) -2055,2964.99 ccw(c-2055,3074.73) -1977.4,2997.13 -1933.69,3040.85 ccw(c-1990.89,3098.05) -1909.99,3098.05 -1909.99,3413.2 ccw(c-1962.59,3413.2) -1925.4,3450.4 ccw(c-1948.58,3427.22) -1948.58,3460 cw(c-1948.58,3560) -2019.29,3489.29 -2125.25,3595.25 cw(c-2065.5,3655) -2150,3655 -2150,3728.79 cw(c-2098.79,3728.79) -2135.01,3764.99 -1884.29,4015.71 cw(c-1813.58,3945) -1813.58,4045 -1247.99,4045 ccw(c-1247.99,4091.68) -1214.98,4058.67 v2(-1157.99,4115.66) ; v2(413.12,1595) 409.29,1598.83 cw(c480,1669.54) 380,1669.54 380,2189.56 cw(c480,2189.56) 409.29,2260.27 U1.44@447.01,2297.99
AGND: C4.2 C5.2 C6.2 C7.1 C8.1 C9.1 C12.1 C13.1 C16.1 C17.1 C20.1 C21.1 C24.1 C25.1 D1.1 D2.1 D3.1 D4.1 D5.1 D6.1 D7.1 D8.1 J5.2 J5.4 J6.6 J7.2 J8.2 J9.2 J9.5 J10.4 R4.1 R5.2 R8.2 R9.2 R14.2 R15.2 R18.2 R19.2 R24.2 R25.2 R28.2 R29.2 R34.2 R35.2 R38.2 R39.2 R44.2 R45.2 U2.11 U3.11 | length 196
  Bottom Layer w25: R4.1@-470,1974.18 v2(-470,2065) ; J10.4@-180,4565 -178.42,4565 ccw(c-178.42,4665) -107.71,4594.29 C7.1@-90,4612
  other v1: -717.15,2060.17 -691.69,2063.71 -666.53,2063.7
B0_00: J2.3 U1.82 | length 861.5
  Top Layer w10: v2(725,3809.86) 754.58,3809.86 ccw(c754.58,3902.38) 820,3836.96 893.76,3910.71 cw(c964.47,3840) 964.47,3940 1205.59,3940 ccw(c1205.59,4040) 1276.3,3969.29 J2.3@1305,3997.99
  Bottom Layer w10: U1.82@647.01,3997.99 695.71,3949.29 cw(c625,3878.58) 725,3878.58 v2(725,3809.86)
B0_01: J2.4 U1.79 | length 867.1
  Top Layer w10: U1.79@547.01,3897.99 567.05,3877.95 ccw(c637.76,3948.66) 637.76,3848.66 750.5,3848.66 ccw(c750.5,3948.66) 821.22,3877.95 964.09,4020.82 cw(c1034.8,3950.11) 1034.8,4050.11 1241.18,4050.11 ccw(c1241.18,4088.59) 1268.39,4061.38 J2.4@1305,4097.99
B0_02: J3.3 U1.80 | length 863.7
  Top Layer w12: U1.80@647.01,3897.99 756.57,3897.99 ccw(c756.57,3997.99) 827.28,3927.28 J3.3@1305,4405
B0_03: U1.77
B0_04: U1.78
B0_05: U1.75
B0_06: U1.76
B0_07: U1.73
B0_08: U1.74
B0_09: U1.71
B0_10: U1.72
B0_11: U1.69
B0_12: U1.70
B0_13: U1.67
B0_14: U1.68
B0_15: U1.65
B1_00: U1.66 U7.2 | length 209.5
  Bottom Layer w6: U7.2@455,3145.32 552.91,3145.32 ccw(c552.91,3245.32) 623.62,3174.6 U1.66@647.01,3197.99
B1_01: U1.63 U7.5 | length 235.4
  Bottom Layer w6: U7.5@332.95,3105.94 362.63,3105.94 cw(c362.63,3005.94) 433.34,3076.66 435,3075 ccw(c459.14,3099.14) 459.14,3065 480,3065 ccw(c480,3147.12) 538.07,3089.05 U1.63@547.01,3097.99
B1_02: J1.2 U1.64 | length 348.6
  Top Layer w12: U1.64@647.01,3097.99 695.71,3146.69 ccw(c625,3217.41) 725,3217.41 725,3219.12 cw(c811.59,3219.12) 750.36,3280.35 750.5,3280.49 cw(c814.52,3216.47) 814.52,3307.01 J1.2@874.69,3307.01
B1_03: R63.1 U1.61 | length 1777.1
  Top Layer w6: v2(1475,3039.57) 1610,3174.57 v2(1610,3735)
  Bottom Layer w6: U1.61@547.01,2997.99 595,2950 1385.43,2950 v2(1475,3039.57) ; v2(1610,3735) 1610,3773.2 R63.1@1611.8,3775
B1_04: U1.62 U7.1 U7.7 | length 448.8
  Top Layer w6: v2(455,3185) 455,3152.43 ccw(c555,3152.43) 484.29,3081.72 502.62,3063.38 ccw(c547.01,3107.77) 547.01,3045 558.58,3045 cw(c558.58,2945) 629.29,3015.71 U1.62@647.01,2997.99
  Bottom Layer w6: U7.7@332.95,3145.32 339,3145.32 ccw(c339,3178.38) 362.38,3155 cw(c386.53,3130.86) 386.53,3165 U7.1@455,3165 v2(455,3185)
B1_05: U1.59 U10.12 | length 1194.9
  Top Layer w6: U1.59@547.01,2897.99 600,2845 600,2388.26 600.35,2387.92 v2(600.35,2380) ; v2(750.5,2118.85) 820,2049.36 v2(820,1875)
  Bottom Layer w6: v2(600.35,2380) 635.35,2345 671.81,2345 750.5,2266.3 v2(750.5,2118.85) ; U10.12@803.87,1905.79 803.87,1891.13 v2(820,1875)
B1_06: J20.5 U1.60 | length 1598.6
  Top Layer w6: v2(1513.42,2995) 1455,2995 1420,3030 1420,3095 1580,3255 1580,3463 J20.5@1520,3523
  Bottom Layer w6: U1.60@647.01,2897.99 1416.41,2897.99 v2(1513.42,2995)
B1_07: R64.1 U1.57 | length 2739.7
  Top Layer w6: v2(1545,2960) 1670,3085 v2(1670,3965)
  Bottom Layer w6: U1.57@547.01,2797.99 600.21,2851.19 1431.19,2851.19 1533.65,2953.65 1533.78,2953.65 1540.13,2960 v2(1545,2960) ; v2(1670,3965) 1860,3965 1910,3915 2195,3915 2220,3890 R64.1@2220,3853.2
B1_08: J3.4 U1.58 | length 2026.8
  Top Layer w12: U1.58@647.01,2797.99 721.22,2872.2 ccw(c650.5,2942.91) 750.5,2942.91 v2(750.5,3093.89) ; v2(750.5,3937.02) ccw(c750.5,4035.66) 820.25,3965.91 988.32,4133.99 ccw(c917.61,4204.7) 1017.61,4204.7 1017.61,4256.19 cw(c1117.61,4256.19) 1046.9,4326.9 1145.71,4425.71 cw(c1216.42,4355) 1216.42,4455 1235,4455 ccw(c1235,4503.28) 1269.14,4469.14 J3.4@1305,4505
  Bottom Layer w12: v2(750.5,3093.89) v2(750.5,3937.02)
B1_09: R66.2 U1.55 | length 81
  Bottom Layer w16: R66.2@466.01,2697.99 U1.55@547.01,2697.99
B1_10: R61.1 U1.56 | length 2578.7
  Top Layer w6: v2(-380.73,3045) -300.73,2965 v2(-36.17,2965)
  Top Layer w8: R61.1@-1564.24,3257.99 -1458.41,3257.99 cw(c-1458.41,3157.99) -1387.7,3228.7 -1128.28,2969.29 ccw(c-1057.57,3040) -1057.57,2940 -851.42,2940 ccw(c-851.42,3040) -780.71,2969.29 -730.4,3019.6 cw(c-669.07,2958.27) -669.07,3045 v2(-380.73,3045)
  Bottom Layer w6: v2(-36.17,2965) 412.13,2965 500,2877.13 500,2765.98 519.79,2746.19 598.81,2746.19 U1.56@647.01,2697.99
B1_11: SW8.1 U1.53 | length 2079.5
  Top Layer w12: U1.53@547.01,2597.99 524.29,2575.27 ccw(c595,2504.56) 495,2504.56 495,2278.4 ccw(c521.03,2278.4) 502.62,2260 ccw(c537.12,2294.5) 537.12,2245.71 647.01,2245.71 cw(c647.01,2158.12) 708.94,2220.06 886.13,2042.87 ccw(c956.84,2113.58) 956.84,2013.58 SW8.1@1813,2013.58 SW8.1@2133,2013.58
B1_12: J19.3 U1.54 | length 150.1
  Bottom Layer w12: U1.54@647.01,2597.99 ccw(c666.3,2617.29) 666.3,2590 J19.3@795,2590
B1_13: J19.4 U1.51 | length 279.6
  Bottom Layer w12: U1.51@547.01,2497.99 574.18,2525.16 cw(c610,2489.34) 610,2540 703.58,2540 cw(c703.58,2440) 774.29,2510.71 J19.4@795,2490
B1_14: U1.52
B1_15: R62.1 U1.50 | length 2439.2
  Top Layer w8: v2(750,2327.8) v2(1108.37,2327.8) ; v2(2225,2060) v2(2225,2580)
  Bottom Layer w8: U1.50@647.01,2397.99 719.84,2325.16 750,2325.16 v2(750,2327.8) ; v2@1107.78,2327.22 1560,1875 1678.39,1875 1863.39,2060 v2(2225,2060) ; R62.1@2220,2538.2 2220,2570.67 2225,2575.67 v2(2225,2580)
BGND: C27.2 C41.2 C42.2 C45.2 C46.1 C47.2 D10.1 D11.1 J11.2 J12.2 Q1.1 Q1.3 R20.1 R51.1 R56.1 R58.1 SW2.1 U8.3 U8.9
  other v1: 1414.73,109.59 1475,171.64 840,172.96 925,176.63 992.84,212.72 822.13,551.85 -422.21,570 435.55,577.97 1880,630 1648.42,646.49 -270.27,664.29 -215.94,664.29 218.65,664.29 286.85,664.29 915,664.29 19.69,750 134.09,839.07 -422.21,842.74 1090,853.77 -85,860 490,874.91 -410,890 710.16,907.35 -422.21,939.12 -94.23,1008.47 -620,1021.5 -94.23,1059.42 -585,1061.4 89.42,1061.96 -620,1100 520,1125 217.86,1143.9 865,1194.37 1515,1255 1268.86,1306.88 1515,1405 1395.87,1430 965,1475 1217.57,1505
  other v3: -73.49,630 20.32,630 20.32,690 20.32,801.99 -15,1025.12 35,1025.12 11.32,1050.59 -15,1075 35,1075